# Allegro board balenaFin-PCB.brd (continued)
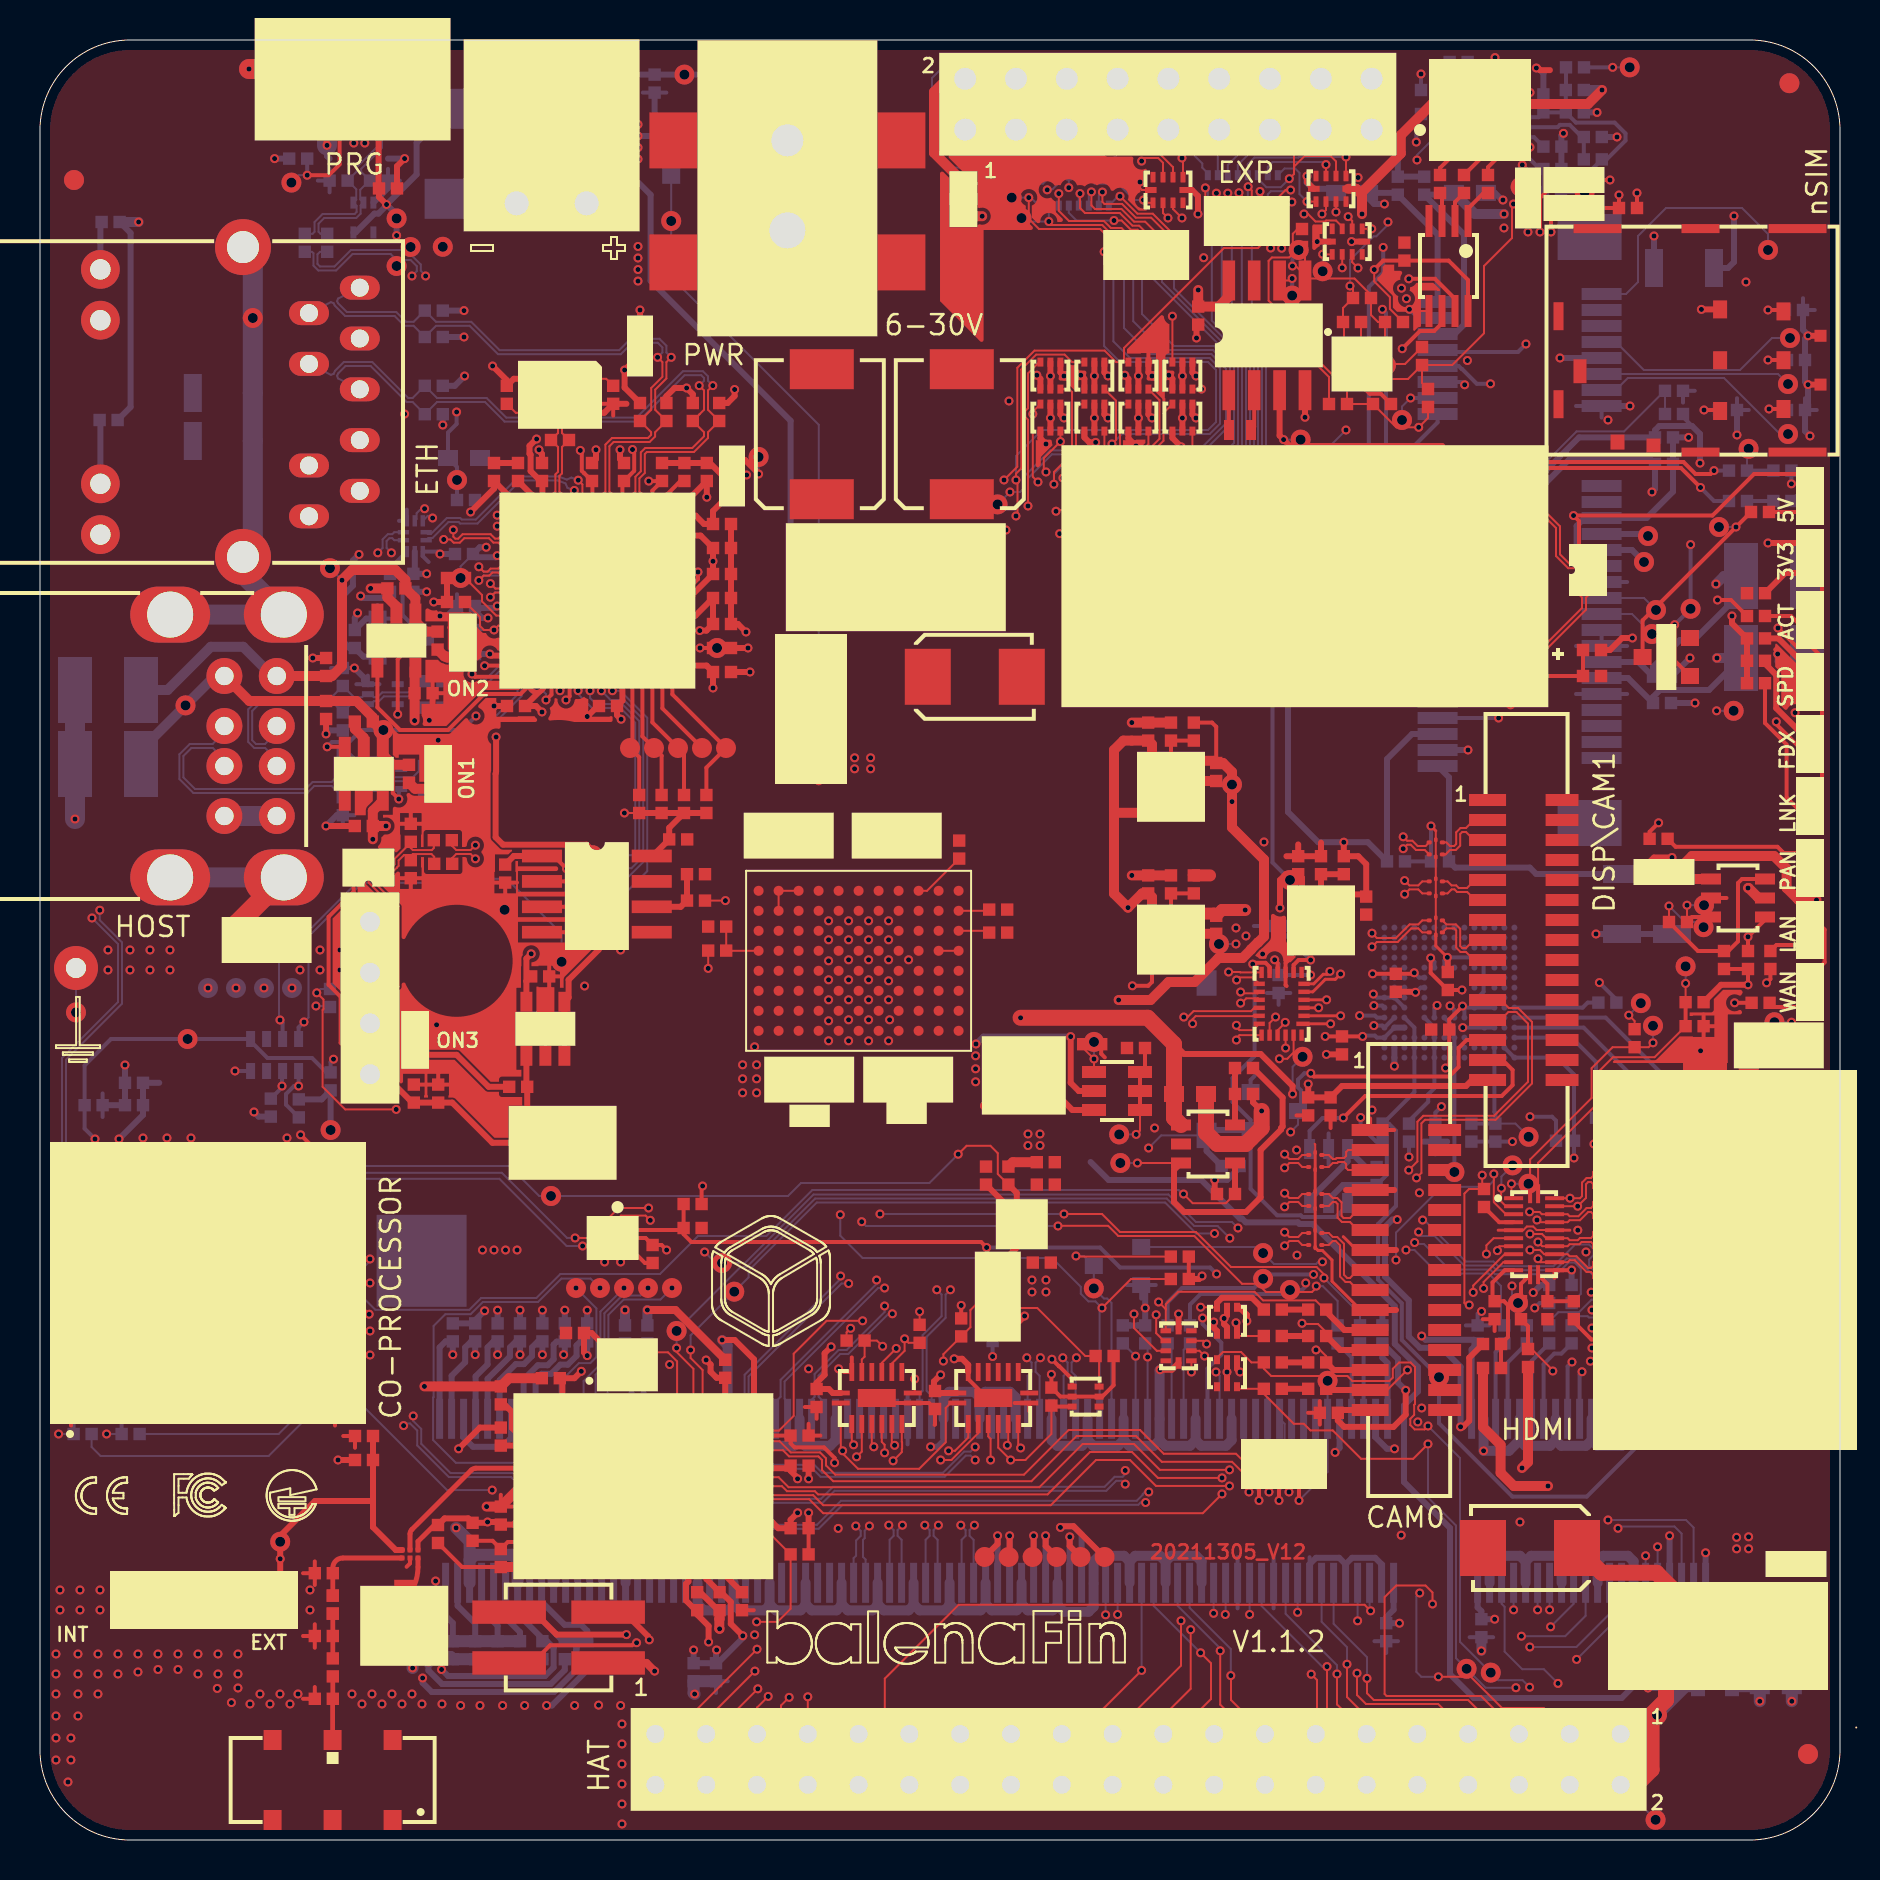
[diagram p0: board, top side]
## Placement (name value [footprint] x y rotation side) (continued)
NOREF#944  -  []  23.91 58.58 0 top
NOREF#945  -  []  31.87 30.91 0 top
NOREF#946  -  []  33.65 65.8 0 top
NOREF#947  -  []  60.63 39.91 90 top
NOREF#948  -  []  53.16 80.5 0 top
NOREF#949  -  []  22.07 9.63 90 top
NOREF#950  -  []  83.16 13.86 90 top
NOREF#951  -  []  13.05 84.38 0 top
NOREF#952  -  []  12.38 57.32 0 top
NOREF#953  -  []  88.15 42.8 0 top
NOREF#954  -  []  25.2 22.44 0 top
NOREF#955  -  []  28.33 85.97 90 top
NOREF#956  -  []  62.49 79.7 90 top
NOREF#957  -  []  52.24 28.3 90 top
NOREF#958  -  []  25.93 10.25 0 top
NOREF#959  -  []  77.74 58.51 0 top
NOREF#960  -  []  52.78 24.2 0 top
NOREF#961  -  []  69.93 42.3 0 top
NOREF#962  -  []  21.45 26.14 0 top
NOREF#963  -  []  71.2 82.35 90 top
NOREF#964  -  []  41.73 61.23 0 top
NOREF#965  -  []  42.36 37.07 90 top
NOREF#966  -  []  50.36 37.08 90 top
NOREF#967  -  []  56.24 55.28 0 top
NOREF#968  -  []  47.09 71.94 90 top
NOREF#969  -  []  14.36 79.41 90 top
NOREF#970  -  []  31.1 67.95 90 top
NOREF#971  -  []  19.91 36.87 90 top
NOREF#972  -  []  19.2 52.38 0 top
NOREF#973  -  []  80.04 39.33 90 top
NOREF#974  -  []  26.55 9.63 90 top
NOREF#975  -  []  30.37 24.83 90 top
NOREF#976  -  []  75.46 26.85 90 top
NOREF#977  -  []  36.96 38.02 0 top
NOREF#978  -  []  75.74 82.71 0 top
NOREF#979  -  []  34.86 62.99 90 top
NOREF#980  -  []  59.39 33.39 90 top
NOREF#981  -  [unnamed#2]  25.93 53 0 top
NOREF#982  -  []  22.39 68.26 0 top
NOREF#983  -  []  4.39 21.29 90 top
NOREF#984  -  []  64.05 48.29 90 top
NOREF#985  -  []  55.17 81.53 0 top
NOREF#986  -  []  63.1 26.83 0 top
NOREF#987  -  []  18.89 54.01 0 top
NOREF#988  -  []  82.28 41.89 0 top
NOREF#989  -  []  29.51 67.64 90 top
NOREF#990  -  []  51.45 21.45 90 top
NOREF#991  -  []  53.56 78.5 90 top
NOREF#992  -  []  46.31 22.47 0 top
NOREF#993  -  []  12.63 37.34 0 top
NOREF#994  -  []  32.87 98.98 0 top
NOREF#995  -  []  20.21 9.36 90 top
NOREF#996  -  []  56.69 25.42 90 top
NOREF#997  -  []  82.5 58.2 90 top
NOREF#998  -  []  80.45 74.27 90 top
NOREF#999  -  []  17.82 61.32 0 top
NOREF#1000  -  []  52.47 24.51 0 top
NOREF#1001  -  []  48.11 33.98 0 top
NOREF#1002  -  []  58.14 81.22 90 top
NOREF#1003  -  []  2.23 36.74 0 top
NOREF#1004  -  []  51.85 40.1 0 top
NOREF#1005  -  []  29 54.6 0 top
NOREF#1006  -  []  41.34 50.22 0 top
NOREF#1007  -  []  20.33 82 90 top
NOREF#1008  -  []  84.01 71.45 0 top
NOREF#1009  -  []  51.05 33.58 90 top
NOREF#1010  -  []  5.01 55.95 0 top
NOREF#1011  -  []  60.48 65.3 0 top
NOREF#1012  -  []  51.37 64.94 0 top
NOREF#1013  -  []  23.59 69.16 0 top
NOREF#1014  -  []  31.11 85.51 0 top
NOREF#1015  -  []  25.12 24.93 90 top
NOREF#1016  -  []  60.68 40.7 0 top
NOREF#1017  -  []  57.2 36.9 90 top
NOREF#1018  -  []  32.49 30.29 90 top
NOREF#1019  -  []  73.56 86.99 90 top
NOREF#1020  -  []  29.7 24.89 0 top
NOREF#1021  -  []  23.04 19.72 90 top
NOREF#1022  -  []  86.76 66.09 90 top
NOREF#1023  -  []  85.05 63.2 0 top
NOREF#1024  -  []  57.62 72.55 90 top
NOREF#1025  -  []  69.1 73.75 90 top
NOREF#1026  -  []  47.61 33.36 90 top
NOREF#1027  -  []  89.65 60.6 90 top
NOREF#1028  -  []  15.24 51.96 0 top
NOREF#1029  -  []  52.94 81.72 0 top
NOREF#1030  -  []  63.99 21.36 0 top
NOREF#1031  -  []  39.59 21.73 0 top
NOREF#1032  -  []  34.24 58.71 0 top
NOREF#1033  -  []  19.51 53.39 90 top
NOREF#1034  -  []  37.53 20.22 0 top
NOREF#1035  -  []  80.13 59.15 0 top
NOREF#1036  -  []  32.2 51.35 90 top
NOREF#1037  -  []  20.19 60.11 90 top
NOREF#1038  -  []  20.85 60.5 0 top
NOREF#1039  -  []  32.37 9.15 0 top
NOREF#1040  -  []  54.61 28.15 0 top
NOREF#1041  -  []  87.99 40.68 0 top
NOREF#1042  -  []  76.29 86.38 0 top
NOREF#1043  -  []  69.69 82.66 0 top
NOREF#1044  -  []  24.81 10.25 0 top
NOREF#1045  -  []  77 25.73 90 top
NOREF#1046  -  []  16.39 56.79 90 top
NOREF#1047  -  []  72.81 29.74 90 top
NOREF#1048  -  []  23.35 19.41 90 top
NOREF#1049  -  []  33.72 44.16 90 top
NOREF#1050  -  []  47.77 46.21 90 top
NOREF#1051  -  []  49.64 28.87 0 top
NOREF#1052  -  []  24.02 38.71 90 top
NOREF#1053  -  []  65.42 81.66 90 top
NOREF#1054  -  []  47.94 24.64 90 top
NOREF#1055  -  []  23.45 8.85 90 top
NOREF#1056  -  []  65.96 76.79 90 top
NOREF#1057  -  []  76.4 73.77 0 top
NOREF#1058  -  []  65.93 80.07 0 top
NOREF#1059  -  []  49.97 30.57 90 top
NOREF#1060  -  []  70.7 82.35 0 top
NOREF#1061  -  []  67.94 49.24 0 top
NOREF#1062  -  []  36.51 38.97 0 top
NOREF#1063  -  []  48.42 32.77 90 top
NOREF#1064  -  []  27.29 68.26 0 top
NOREF#1065  -  []  19.32 57.65 0 top
NOREF#1066  -  []  64.81 82.35 0 top
NOREF#1067  -  []  23.26 47.87 90 top
NOREF#1068  -  []  58.81 52.95 90 top
NOREF#1069  -  []  5.29 19.99 90 top
NOREF#1070  -  []  49.84 33.89 0 top
NOREF#1071  -  []  1.93 51.67 90 top
NOREF#1072  -  []  23.04 57.01 0 top
NOREF#1073  -  []  73.98 78 0 top
NOREF#1074  -  []  29.25 24.83 90 top
NOREF#1075  -  []  18.16 82.27 90 top
NOREF#1076  -  []  65.22 44.43 90 top
NOREF#1077  -  []  61.39 81.74 0 top
NOREF#1078  -  []  80.16 81.29 90 top
NOREF#1079  -  []  63.1 22.87 0 top
NOREF#1080  -  []  67.14 32.44 90 top
NOREF#1081  -  []  50.02 70.44 0 top
NOREF#1082  -  []  14.33 11.63 0 top
NOREF#1083  -  []  25.93 26.14 0 top
NOREF#1084  -  []  20.33 26.14 0 top
NOREF#1085  -  []  15.45 54.05 90 top
NOREF#1086  -  []  71.51 82.04 90 top
NOREF#1087  -  []  72.15 14.6 0 top
NOREF#1088  -  []  24.87 14.09 0 top
NOREF#1089  -  []  50.08 77.6 90 top
NOREF#1090  -  []  70.77 40.21 90 top
NOREF#1091  -  []  62.24 80.45 90 top
NOREF#1092  -  []  49.46 21.85 90 top
NOREF#1093  -  []  77.15 59.5 0 top
NOREF#1094  -  []  32.18 30.6 0 top
NOREF#1095  -  []  75.06 26.35 0 top
NOREF#1096  -  []  65.91 82.75 0 top
NOREF#1097  -  []  31.46 50.03 0 top
NOREF#1098  -  []  84.01 76.53 0 top
NOREF#1099  -  []  86.14 66.71 0 top
NOREF#1100  -  []  64.22 36.54 0 top
NOREF#1101  -  []  34.86 60.49 90 top
NOREF#1102  -  []  28.66 71.81 90 top
NOREF#1103  -  []  24.78 45.66 0 top
NOREF#1104  -  []  74.03 26.04 0 top
NOREF#1105  -  []  16.95 82.58 0 top
NOREF#1106  -  []  25.15 43.49 0 top
NOREF#1107  -  []  70.75 80.95 0 top
NOREF#1108  -  []  37.22 15.9 0 top
NOREF#1109  -  []  71.1 85.03 0 top
NOREF#1110  -  []  63.41 26.52 0 top
NOREF#1111  -  []  22.06 66.69 90 top
NOREF#1112  -  []  85.4 43.55 90 top
NOREF#1113  -  []  15.45 50.93 90 top
NOREF#1114  -  []  32.94 47.28 0 top
NOREF#1115  -  []  3.67 81.21 0 top
NOREF#1116  -  []  20.64 24.93 90 top
NOREF#1117  -  []  20.04 63.41 0 top
NOREF#1118  -  []  12.13 38.45 0 top
NOREF#1119  -  []  29.56 25.42 90 top
NOREF#1120  -  []  35.75 13.86 90 top
NOREF#1121  -  []  88.15 58.3 0 top
NOREF#1122  -  []  70.26 87.19 90 top
NOREF#1123  -  []  50.95 37.73 90 top
NOREF#1124  -  []  58.08 24.56 90 top
NOREF#1125  -  []  31.08 51.35 90 top
NOREF#1126  -  []  38.83 21.65 90 top
NOREF#1127  -  []  33.65 64.6 0 top
NOREF#1128  -  []  25.24 70.31 0 top
NOREF#1129  -  []  23.35 15.46 90 top
NOREF#1130  -  []  14.05 9.89 90 top
NOREF#1131  -  []  6.51 61.27 0 top
NOREF#1132  -  []  37.53 18.72 0 top
NOREF#1133  -  []  72.19 25.42 90 top
NOREF#1134  -  []  62.79 79.96 0 top
NOREF#1135  -  []  81.53 43.95 90 top
NOREF#1136  -  []  33.65 62.1 0 top
NOREF#1137  -  []  62.35 47.73 0 top
NOREF#1138  -  []  62.6 49.5 0 top
NOREF#1139  -  []  22.95 49.08 0 top
NOREF#1140  -  []  69.05 87.5 0 top
NOREF#1141  -  []  4.39 12 0 top
NOREF#1142  -  []  23.35 21.47 90 top
NOREF#1143  -  []  61.19 26.52 0 top
NOREF#1144  -  []  30.77 2.76 90 top
NOREF#1145  -  []  21.76 24.93 90 top
NOREF#1146  -  []  32.86 11.49 90 top
NOREF#1147  -  []  86.9 72.8 0 top
NOREF#1148  -  []  86.17 42.17 0 top
NOREF#1149  -  []  56.47 71.57 90 top
NOREF#1150  -  []  53 37.8 90 top
NOREF#1151  -  []  34.24 63.61 0 top
NOREF#1152  -  []  73.56 83.99 90 top
NOREF#1153  -  []  76.48 33.6 0 top
NOREF#1154  -  []  34.24 62.41 0 top
NOREF#1155  -  []  80.48 35.36 90 top
NOREF#1156  -  []  35.1 67 90 top
NOREF#1157  -  []  39.24 35.9 90 top
NOREF#1158  -  []  57.5 24.83 90 top
NOREF#1159  -  []  56.54 28.05 0 top
NOREF#1160  -  []  15.8 10.55 90 top
NOREF#1161  -  []  11.85 35.86 90 top
NOREF#1162  -  []  56.86 54.66 90 top
NOREF#1163  -  []  80.75 68.81 0 top
NOREF#1164  -  []  55.53 82.12 90 top
NOREF#1165  -  []  3.29 70.69 90 top
NOREF#1166  -  []  78.36 57.89 90 top
NOREF#1167  -  []  23.65 72.4 90 top
NOREF#1168  -  []  80.54 66.09 90 top
NOREF#1169  -  []  101.58 69.17 90 top
NOREF#1170  -  []  85.05 59.1 0 top
NOREF#1171  -  []  85.89 38.78 90 top
NOREF#1172  -  []  13.99 59.41 0 top
NOREF#1173  -  []  57.62 70.44 90 top
NOREF#1174  -  []  76.11 34.65 90 top
NOREF#1175  -  []  56.7 37.3 0 top
NOREF#1176  -  []  57.72 43.47 90 top
NOREF#1177  -  []  15.99 67.45 90 top
NOREF#1178  -  []  27.64 57.01 0 top
NOREF#1179  -  []  84.36 61.12 90 top
NOREF#1180  -  []  32.33 72.16 0 top
NOREF#1181  -  []  82.06 25.42 90 top
NOREF#1182  -  []  11.35 85.97 0 top
NOREF#1183  -  []  18.98 62.1 90 top
NOREF#1184  -  []  14.61 55.74 90 top
NOREF#1185  -  []  33.67 12.7 0 top
NOREF#1186  -  []  55.65 83.14 0 top
NOREF#1187  -  []  64.14 78.94 90 top
NOREF#1188  -  []  18.54 40.83 0 top
NOREF#1189  -  []  57.46 78 90 top
NOREF#1190  -  []  71.58 21.06 0 top
NOREF#1191  -  []  30.79 68.26 0 top
NOREF#1192  -  []  18.14 54.07 0 top
NOREF#1193  -  []  78.23 41.56 90 top
NOREF#1194  -  []  0.9 59.15 0 top
NOREF#1195  -  []  32.22 67.95 90 top
NOREF#1196  -  []  30.77 51.66 0 top
NOREF#1197  -  []  21.63 14.96 90 top
NOREF#1198  -  []  33.65 63.3 0 top
NOREF#1199  -  []  14.79 82.66 90 top
NOREF#1200  -  []  70.23 21.5 0 top
NOREF#1201  -  []  73.16 30.59 0 top
NOREF#1202  -  []  77.25 64.09 90 top
NOREF#1203  -  []  67.86 71.49 90 top
NOREF#1204  -  []  69.86 48.62 90 top
NOREF#1205  -  []  70.7 42.19 90 top
NOREF#1206  -  []  92.55 36.5 0 top
NOREF#1207  -  []  23.35 56.7 0 top
NOREF#1208  -  []  83.38 86.3 90 top
NOREF#1209  -  []  84.17 9.83 90 top
NOREF#1210  -  []  60.3 19.3 90 top
NOREF#1211  -  []  25.43 9.63 90 top
NOREF#1212  -  []  30.63 28.85 90 top
NOREF#1213  -  []  57.38 56.18 0 top
NOREF#1214  -  []  88.15 61.4 0 top
NOREF#1215  -  []  88.15 64.5 0 top
NOREF#1216  -  []  78.79 9.45 0 top
NOREF#1217  -  []  81.45 45.9 0 top
NOREF#1218  -  []  75.8 34.96 0 top
NOREF#1219  -  []  62.88 12.86 0 top
NOREF#1220  -  []  85.35 62.34 0 top
NOREF#1221  -  []  57.72 43.47 90 top
NOREF#1222  -  []  89.03 72.77 90 top
NOREF#1223  -  []  66.7 74.85 0 top
NOREF#1224  -  []  85.94 62.65 0 top
NOREF#1225  -  []  14.95 13.03 90 top
NOREF#1226  -  []  67.91 80.18 0 top
NOREF#1227  -  []  14.95 11.01 90 top
NOREF#1228  -  []  47.44 26.62 0 top
NOREF#1229  -  []  26.3 25.35 0 top
NOREF#1230  -  []  60.88 24.19 0 top
NOREF#1231  -  []  27.97 29.42 90 top
NOREF#1232  -  []  63.1 44.68 0 top
NOREF#1233  -  []  85.35 57.84 0 top
NOREF#1234  -  []  83.25 8.19 0 top
NOREF#1235  -  []  64.78 44.43 0 top
NOREF#1236  -  []  58.7 25.51 0 top
NOREF#1237  -  []  38.09 68.64 0 top
NOREF#1238  -  []  4.47 36.82 0 top
NOREF#1239  -  []  38.55 54.3 90 top
NOREF#1240  -  []  69.24 49.24 0 top
NOREF#1241  -  []  57.05 35.75 0 top
NOREF#1242  -  []  67.44 34.61 90 top
NOREF#1243  -  []  71.69 88.59 90 top
NOREF#1244  -  []  16.43 61.47 0 top
NOREF#1245  -  []  30.4 20.8 90 top
NOREF#1246  -  []  81.31 9.73 0 top
NOREF#1247  -  []  24.05 37.97 0 top
NOREF#1248  -  []  17.09 83.28 0 top
NOREF#1249  -  []  73.36 23.29 90 top
NOREF#1250  -  []  26.97 17.89 90 top
NOREF#1251  -  []  77.5 84.84 90 top
NOREF#1252  -  []  22.88 9.04 90 top
NOREF#1253  -  []  50.02 72.55 90 top
NOREF#1254  -  []  89.58 60.2 90 top
NOREF#1255  -  []  74.65 25.42 90 top
NOREF#1256  -  []  26.3 22.78 90 top
NOREF#1257  -  []  81.02 10.26 90 top
NOREF#1258  -  []  81.93 9.11 90 top
NOREF#1259  -  []  75.48 86.97 90 top
NOREF#1260  -  []  76.58 26.85 90 top
NOREF#1261  -  []  74.05 26.04 90 top
NOREF#1262  -  []  76.1 46 90 top
NOREF#1263  -  []  49.99 29.77 90 top
NOREF#1264  -  []  13.55 80 90 top
NOREF#1265  -  []  37.84 18.41 90 top
NOREF#1266  -  []  18.36 52.4 90 top
NOREF#1267  -  []  80.71 10.57 0 top
NOREF#1268  -  []  21.53 85.26 90 top
NOREF#1269  -  []  77.15 58.2 0 top
NOREF#1270  -  []  80.96 57.86 90 top
NOREF#1271  -  []  84.48 16.97 0 top
NOREF#1272  -  []  19.57 60.73 0 top
NOREF#1273  -  []  17.71 82.66 90 top
NOREF#1274  -  []  34.24 59.91 0 top
NOREF#1275  -  []  61.66 71.49 0 top
NOREF#1276  -  []  65.11 34.05 90 top
NOREF#1277  -  []  83.91 61.12 0 top
NOREF#1278  -  []  33.34 67.95 90 top
NOREF#1279  -  []  84.45 66.95 0 top
NOREF#1280  -  []  49.13 14.15 0 top
NOREF#1281  -  []  32.95 71.54 90 top
NOREF#1282  -  []  74.71 35.8 90 top
NOREF#1283  -  []  48.73 33.36 90 top
NOREF#1284  -  []  79.9 65.2 0 top
NOREF#1285  -  []  79.86 35.98 0 top
NOREF#1286  -  []  74.36 26.63 90 top
NOREF#1287  -  []  10.9 86.92 0 top
NOREF#1288  -  []  9.22 51.2 0 top
NOREF#1289  -  []  47.37 81.54 90 top
NOREF#1290  -  []  21.33 26.66 0 top
NOREF#1291  -  []  57.91 75.77 90 top
NOREF#1292  -  []  67.62 10.53 90 top
NOREF#1293  -  []  52.67 63.19 0 top
NOREF#1294  -  []  0.9 55.45 0 top
NOREF#1295  -  []  13.67 83.76 90 top
NOREF#1296  -  []  74.86 83.86 0 top
NOREF#1297  -  []  64.16 35.05 0 top
NOREF#1298  -  []  20.41 12.71 0 top
NOREF#1299  -  []  79.34 28.5 90 top
NOREF#1300  -  []  10.93 82.5 90 top
NOREF#1301  -  []  28.55 23.14 90 top
NOREF#1302  -  []  37.22 14.59 0 top
NOREF#1303  -  []  85.04 60.39 0 top
NOREF#1304  -  []  69.46 36.13 0 top
NOREF#1305  -  []  72.81 28.82 0 top
NOREF#1306  -  []  23.83 81.83 0 top
NOREF#1307  -  []  89.65 54.4 90 top
NOREF#1308  -  []  64.35 17.55 90 top
NOREF#1309  -  []  76.69 26.04 90 top
NOREF#1310  -  []  82.84 8.3 0 top
NOREF#1311  -  []  50.57 21.72 90 top
NOREF#1312  -  []  73.08 71.22 90 top
NOREF#1313  -  []  7.64 72.35 0 top
NOREF#1314  -  []  52.16 39.79 0 top
NOREF#1315  -  []  85.94 61.51 0 top
NOREF#1316  -  []  37.55 55.6 0 top
NOREF#1317  -  []  57.13 29.48 0 top
NOREF#1318  -  []  75.37 26.04 90 top
NOREF#1319  -  []  66.58 85.52 90 top
NOREF#1320  -  []  4.08 20.3 0 top
NOREF#1321  -  []  34.29 12.08 90 top
NOREF#1322  -  []  34.86 64.29 90 top
NOREF#1323  -  []  21.76 9.04 90 top
NOREF#1324  -  []  55.27 72.32 90 top
NOREF#1325  -  []  65.1 39.28 90 top
NOREF#1326  -  []  16.27 53.4 0 top
NOREF#1327  -  []  79.1 9.14 90 top
NOREF#1328  -  []  83.38 86.3 0 top
NOREF#1329  -  []  13.24 79.41 90 top
NOREF#1330  -  []  84.36 61.12 90 top
NOREF#1331  -  []  46.71 21.65 0 top
NOREF#1332  -  []  79.55 44.35 90 top
NOREF#1333  -  []  25.09 23.09 0 top
NOREF#1334  -  []  29.9 27.6 0 top
NOREF#1335  -  []  52.99 32.04 90 top
NOREF#1336  -  []  80.7 78.6 0 top
NOREF#1337  -  []  15.74 55.92 0 top
NOREF#1338  -  []  44.46 38.97 0 top
NOREF#1339  -  []  67.43 25.42 90 top
NOREF#1340  -  []  0 85.5 0 top
NOREF#1341  -  []  57.21 78.75 90 top
NOREF#1342  -  []  27.36 9.04 90 top
NOREF#1343  -  []  14.33 11.63 0 top
NOREF#1344  -  []  33.8 54.6 0 top
NOREF#1345  -  []  109.85 19.5 90 top
NOREF#1346  -  []  55.1 56.18 0 top
NOREF#1347  -  []  85.66 57.53 90 top
NOREF#1348  -  []  52.95 21.67 90 top
NOREF#1349  -  []  57.19 26.04 0 top
NOREF#1350  -  []  22.7 67.95 90 top
NOREF#1351  -  []  72.73 61.12 0 top
NOREF#1352  -  []  16.73 86.8 0 top
NOREF#1353  -  []  25.93 53 90 top
NOREF#1354  -  []  18.9 14.1 90 top
NOREF#1355  -  []  70.76 85.29 0 top
NOREF#1356  -  []  64.48 79.02 0 top
NOREF#1357  -  []  13.9 89.21 0 top
NOREF#1358  -  []  87.35 51.3 0 top
NOREF#1359  -  []  14.67 80 90 top
NOREF#1360  -  []  32.66 47.98 90 top
NOREF#1361  -  []  87.28 60.2 0 top
NOREF#1362  -  []  56.55 47.33 90 top
NOREF#1363  -  []  88.46 76.19 90 top
NOREF#1364  -  []  87.26 67.26 0 top
NOREF#1365  -  []  40.47 20.35 90 top
NOREF#1366  -  []  37.84 13.97 90 top
NOREF#1367  -  []  52.69 28.7 0 top
NOREF#1368  -  []  22.73 22.09 0 top
NOREF#1369  -  []  69.05 86.3 0 top
NOREF#1370  -  []  14.75 22.2 90 top
NOREF#1371  -  []  55.56 39.29 90 top
NOREF#1372  -  []  52.07 71.57 90 top
NOREF#1373  -  []  85.15 24.5 90 top
NOREF#1374  -  []  -3.99 63.76 0 top
NOREF#1375  -  []  19.4 49.12 0 top
NOREF#1376  -  []  17.81 63 90 top
NOREF#1377  -  []  23.66 56.39 90 top
NOREF#1378  -  []  73.75 88.55 0 top
NOREF#1379  -  []  63.72 35.92 90 top
NOREF#1380  -  []  62.45 36.05 90 top
NOREF#1381  -  []  66.59 81.24 90 top
NOREF#1382  -  []  27.05 26.14 0 top
NOREF#1383  -  []  54.45 24.52 90 top
NOREF#1384  -  []  72.73 61.12 90 top
NOREF#1385  -  []  40.02 25.28 0 top
NOREF#1386  -  []  79.41 8.83 90 top
NOREF#1387  -  []  47.87 36.88 90 top
NOREF#1388  -  []  3.75 17.5 90 top
NOREF#1389  -  []  23.63 33.21 90 top
NOREF#1390  -  []  13.43 7.37 0 top
NOREF#1391  -  []  20.95 9.63 90 top
NOREF#1392  -  []  31.63 71.54 90 top
NOREF#1393  -  []  48.34 31.52 0 top
NOREF#1394  -  []  53.83 25.14 0 top
NOREF#1395  -  []  58.24 81.49 0 top
NOREF#1396  -  []  72.73 61.12 90 top
NOREF#1397  -  []  54.94 39.91 0 top
NOREF#1398  -  []  7.9 42.6 0 top
NOREF#1399  -  []  77.74 59.81 0 top
NOREF#1400  -  []  66.31 25.42 90 top
NOREF#1401  -  []  31.39 51.04 90 top
NOREF#1402  -  []  70.08 35.51 90 top
NOREF#1403  -  []  52.94 81.72 0 top
NOREF#1404  -  []  88.56 73.69 90 top
NOREF#1405  -  []  14.64 11.32 90 top
NOREF#1406  -  []  63.48 31.85 90 top
NOREF#1407  -  []  85.35 61.2 0 top
NOREF#1408  -  []  17.19 63.62 0 top
NOREF#1409  -  []  46.29 23.85 0 top
NOREF#1410  -  []  66.59 81.24 90 top
NOREF#1411  -  []  47.3 32.77 90 top
NOREF#1412  -  []  84.2 43.55 90 top
NOREF#1413  -  []  87.35 45.1 0 top
NOREF#1414  -  []  63.1 36.54 0 top
NOREF#1415  -  []  29.69 72.16 0 top
NOREF#1416  -  []  13.99 56.36 0 top
NOREF#1417  -  []  56.38 24.83 90 top
NOREF#1418  -  []  7.19 70.9 0 top
NOREF#1419  -  []  27.75 30.22 0 top
NOREF#1420  -  []  65.34 77.41 0 top
NOREF#1421  -  []  55.57 24.52 90 top
NOREF#1422  -  []  31.4 54.6 0 top
NOREF#1423  -  []  81.07 50.37 0 top
NOREF#1424  -  []  26.3 27.6 0 top
NOREF#1425  -  []  38.03 36.21 0 top
NOREF#1426  -  []  85.35 60.08 0 top
NOREF#1427  -  []  13.9 85.02 90 top
NOREF#1428  -  []  83.93 4 90 top
NOREF#1429  -  []  13.45 66.19 0 top
NOREF#1430  -  []  14.64 8.18 90 top
NOREF#1431  -  []  74.16 85.64 90 top
NOREF#1432  -  []  85.04 68.78 0 top
NOREF#1433  -  []  15.68 49.17 0 top
NOREF#1434  -  []  19.25 64.7 90 top
NOREF#1435  -  []  61.93 42.35 90 top
NOREF#1436  -  []  17.17 48.17 90 top
NOREF#1437  -  []  18.18 56.64 90 top
NOREF#1438  -  []  40.33 24.97 0 top
NOREF#1439  -  []  76.25 29.99 0 top
NOREF#1440  -  []  63.8 83.2 0 top
NOREF#1441  -  []  76.89 26.54 90 top
NOREF#1442  -  []  19.71 48.81 0 top
NOREF#1443  -  []  81.44 26.04 0 top
NOREF#1444  -  []  59.85 22.66 90 top
NOREF#1445  -  []  88.15 55.2 0 top
NOREF#1446  -  []  48.22 31.02 0 top
NOREF#1447  -  []  20.85 59.3 0 top
NOREF#1448  -  []  85.04 67.26 0 top
NOREF#1449  -  []  14.95 11.01 90 top
NOREF#1450  -  []  80.96 56.54 90 top
NOREF#1451  -  []  56.54 29.17 0 top
NOREF#1452  -  []  68.14 35.23 0 top
NOREF#1453  -  []  76.36 82.09 90 top
NOREF#1454  -  []  59.75 38.6 0 top
NOREF#1455  -  []  55.42 70.44 90 top
NOREF#1456  -  []  28.55 30.78 0 top
NOREF#1457  -  []  75.15 82.4 0 top
NOREF#1458  -  []  64.43 31.85 0 top
NOREF#1459  -  []  51.45 22.89 0 top
NOREF#1460  -  []  29.51 29.42 90 top
NOREF#1461  -  []  16.3 36.6 0 top
NOREF#1462  -  []  72.73 66.47 90 top
NOREF#1463  -  []  80.61 37.34 90 top
NOREF#1464  -  []  25.68 23.4 0 top
NOREF#1465  -  []  76.4 73.12 90 top
NOREF#1466  -  []  63.33 81.59 0 top
NOREF#1467  -  []  1.99 19.99 90 top
NOREF#1468  -  []  45.06 21.24 90 top
NOREF#1469  -  []  20.66 62.79 90 top
NOREF#1470  -  []  23.19 9.63 90 top
NOREF#1471  -  []  15.43 51.01 0 top
NOREF#1472  -  []  4.56 36.43 90 top
NOREF#1473  -  []  82.05 60.5 0 top
NOREF#1474  -  []  87.09 8.09 0 top
NOREF#1475  -  []  59.35 26.64 0 top
NOREF#1476  -  []  81.15 49.25 0 top
NOREF#1477  -  []  18.41 40.41 0 top
NOREF#1478  -  []  83.49 41.58 90 top
NOREF#1479  -  []  89.65 42 90 top
NOREF#1480  -  []  20.79 60.27 0 top
NOREF#1481  -  []  19.99 59.47 0 top
NOREF#1482  -  []  34 45.98 0 top
NOREF#1483  -  []  53.16 80.5 0 top
NOREF#1484  -  []  52.72 73.9 0 top
NOREF#1485  -  []  54.92 73.9 0 top
NOREF#1486  -  []  40.41 37.07 90 top
NOREF#1487  -  []  -87.17 -99.14 0 top
NOREF#1488  -  []  -9.5 59.38 90 top
NOREF#1489  -  []  72.93 70.12 0 top
NOREF#1490  -  []  50.23 29.18 0 top
NOREF#1491  -  []  17.54 82.89 0 top
NOREF#1492  -  []  22.29 59.47 90 top
NOREF#1493  -  []  16.37 81.72 0 top
NOREF#1494  -  []  71.76 86.99 0 top
NOREF#1495  -  []  16.05 59.29 90 top
NOREF#1496  -  []  55.41 47.33 90 top
NOREF#1497  -  []  16.88 59.17 90 top
NOREF#1498  -  []  55.6 51.36 0 top
NOREF#1499  -  []  19.53 87.86 0 top
NOREF#1500  -  []  16.34 20.51 0 top
NOREF#1501  -  []  55.27 72.02 0 top
NOREF#1502  -  []  12.46 84.07 0 top
NOREF#1503  -  []  81.96 69.82 90 top
NOREF#1504  -  []  54.85 50.91 90 top
NOREF#1505  -  []  87.17 73.99 90 top
NOREF#1506  -  []  69.55 48.93 0 top
NOREF#1507  -  []  34.57 22.8 90 top
NOREF#1508  -  []  43.86 65.05 0 top
NOREF#1509  -  []  12.08 0.5 0 top
NOREF#1510  -  []  15.24 51.96 90 top
NOREF#1511  -  []  71.91 85.14 90 top
NOREF#1512  -  []  11.84 51.2 90 top
NOREF#1513  -  []  61.62 42.66 0 top
NOREF#1514  -  []  32.87 94.48 0 top
NOREF#1515  -  []  79.07 61.12 90 top
NOREF#1516  -  []  21.32 15.27 0 top
NOREF#1517  -  []  24.22 58.82 0 top
NOREF#1518  -  []  53.41 79.75 90 top
NOREF#1519  -  []  63.41 36.23 90 top
NOREF#1520  -  []  55.88 85.53 0 top
NOREF#1521  -  []  63.1 24.19 0 top
NOREF#1522  -  []  4.25 37.86 0 top
NOREF#1523  -  []  72.15 23.6 0 top
NOREF#1524  -  []  63.41 79.34 90 top
NOREF#1525  -  []  32.18 31.8 0 top
NOREF#1526  -  []  30 70.95 90 top
NOREF#1527  -  []  55.3 44.14 90 top
NOREF#1528  -  []  13.57 60.82 0 top
NOREF#1529  -  []  19.9 14.85 90 top
NOREF#1530  -  []  71.26 36.13 0 top
NOREF#1531  -  []  13.45 76.34 90 top
NOREF#1532  -  []  53.44 81.72 90 top
NOREF#1533  -  []  53.07 72.02 0 top
NOREF#1534  -  []  14.48 82.97 0 top
NOREF#1535  -  []  67.79 42.41 90 top
NOREF#1536  -  []  61.87 46.01 0 top
NOREF#1537  -  []  13.74 7.06 0 top
NOREF#1538  -  []  76.3 88.63 0 top
NOREF#1539  -  []  7.1 66.19 90 top
NOREF#1540  -  []  55.72 55.56 90 top
NOREF#1541  -  []  58 47.92 90 top
NOREF#1542  -  []  27.05 10.25 0 top
NOREF#1543  -  []  52.07 72.77 0 top
NOREF#1544  -  []  19.25 64.14 90 top
NOREF#1545  -  []  75.17 86.38 90 top
NOREF#1546  -  []  18.67 62.41 90 top
NOREF#1547  -  []  14.83 51.55 0 top
NOREF#1548  -  []  64.84 35.92 90 top
NOREF#1549  -  []  82.04 46.21 0 top
NOREF#1550  -  []  50.85 28.56 90 top
NOREF#1551  -  []  12.83 5.2 90 top
NOREF#1552  -  []  30.27 51.04 90 top
NOREF#1553  -  []  25.86 69.69 90 top
NOREF#1554  -  []  56.47 73.67 90 top
NOREF#1555  -  []  14.64 11.32 90 top
NOREF#1556  -  []  25.22 19.49 0 top
NOREF#1557  -  []  33.49 9.15 0 top
NOREF#1558  -  []  72.51 31.34 90 top
NOREF#1559  -  []  19.58 53.18 90 top
NOREF#1560  -  []  47.46 45.37 0 top
NOREF#1561  -  [unnamed#2]  6.07 4 0 top
NOREF#1562  -  []  32.67 49.72 90 top
NOREF#1563  -  []  75.48 83.24 90 top
NOREF#1564  -  []  66.82 35.23 0 top
NOREF#1565  -  []  65.69 26.04 0 top
NOREF#1566  -  []  21.5 69.5 0 top
NOREF#1567  -  []  40.49 22.47 0 top
NOREF#1568  -  []  55 36.5 90 top
NOREF#1569  -  []  34.86 61.79 90 top
NOREF#1570  -  []  75.99 88.94 0 top
NOREF#1571  -  []  66 24.83 90 top
NOREF#1572  -  []  17.5 62.41 90 top
NOREF#1573  -  []  67.13 34.92 90 top
NOREF#1574  -  []  83.55 10.45 0 top
NOREF#1575  -  []  69.71 71.34 90 top
NOREF#1576  -  []  83.28 45.65 90 top
NOREF#1577  -  []  23.69 10.25 0 top
NOREF#1578  -  []  59.7 25.06 90 top
NOREF#1579  -  []  17.26 60.03 0 top
NOREF#1580  -  []  70.89 82.66 0 top
NOREF#1581  -  []  26.93 36.51 0 top
NOREF#1582  -  []  69.88 67.3 0 top
NOREF#1583  -  []  4.29 80.59 90 top
NOREF#1584  -  []  12.93 80.62 0 top
NOREF#1585  -  []  28.7 27.6 0 top
NOREF#1586  -  []  55.06 27.75 90 top
NOREF#1587  -  []  81.62 8.52 90 top
NOREF#1588  -  []  86.21 44.76 0 top
NOREF#1589  -  []  14.83 54.67 0 top
NOREF#1590  -  []  86.52 43.55 90 top
NOREF#1591  -  []  23.56 62.22 90 top
NOREF#1592  -  []  86.9 70.3 0 top
NOREF#1593  -  []  95.3 33.5 90 top
NOREF#1594  -  []  85.55 66.4 0 top
NOREF#1595  -  []  54.27 72.77 0 top
NOREF#1596  -  []  50.43 33.08 0 top
NOREF#1597  -  []  75.15 27.16 0 top
NOREF#1598  -  []  33.8 7.94 90 top
NOREF#1599  -  []  48.02 36.33 0 top
NOREF#1600  -  []  67.89 82.27 90 top
NOREF#1601  -  []  39.09 67.04 90 top
NOREF#1602  -  []  88.56 71.19 90 top
NOREF#1603  -  []  82.5 48 90 top
NOREF#1604  -  []  30 73.9 90 top
NOREF#1605  -  []  9.43 0.8 0 top
NOREF#1606  -  []  24 24.93 90 top
NOREF#1607  -  []  61.5 26.21 90 top
NOREF#1608  -  []  34.24 64.91 0 top
NOREF#1609  -  []  57.83 42.22 90 top
NOREF#1610  -  []  28.55 24.39 0 top
NOREF#1611  -  []  6.51 48.13 90 top
NOREF#1612  -  []  47.63 24.95 90 top
NOREF#1613  -  []  19 37.46 90 top
NOREF#1614  -  []  63.68 21.67 0 top
NOREF#1615  -  []  55.53 81.59 0 top
NOREF#1616  -  []  87.35 66.8 0 top
NOREF#1617  -  []  37.53 15.59 0 top